# Altium PCB 主板6.PcbDoc
Units mil, origin at the board's own origin, x right, y up, seen from the top; angles counter-clockwise.
Board outline 3926.99 x 3131.26 mil, 4 copper layers (Top Layer, GND2, PWR3, Bottom Layer), stack 23.756 mil thick; 69 components, 79 nets, 274 pads, 145 vias.
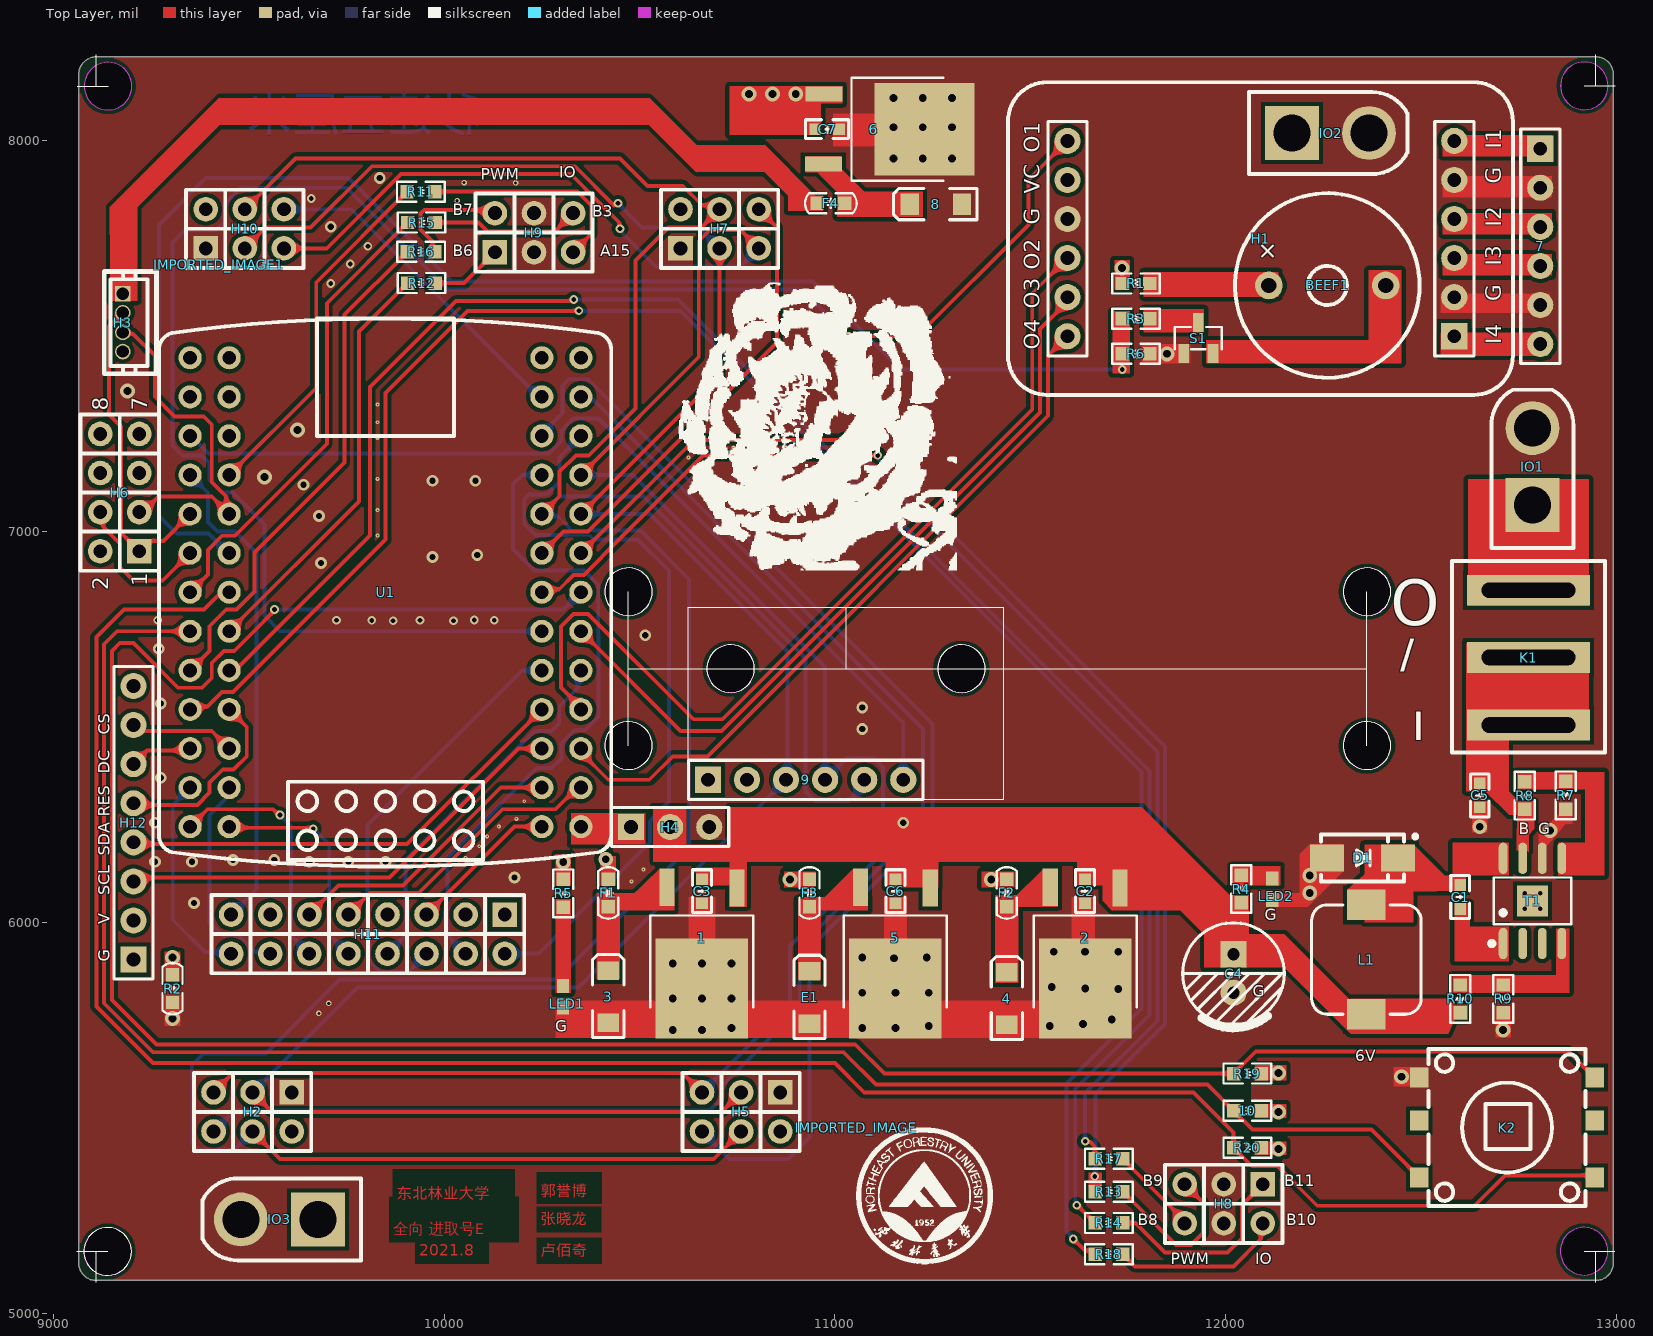
[diagram p0: Top Layer view]
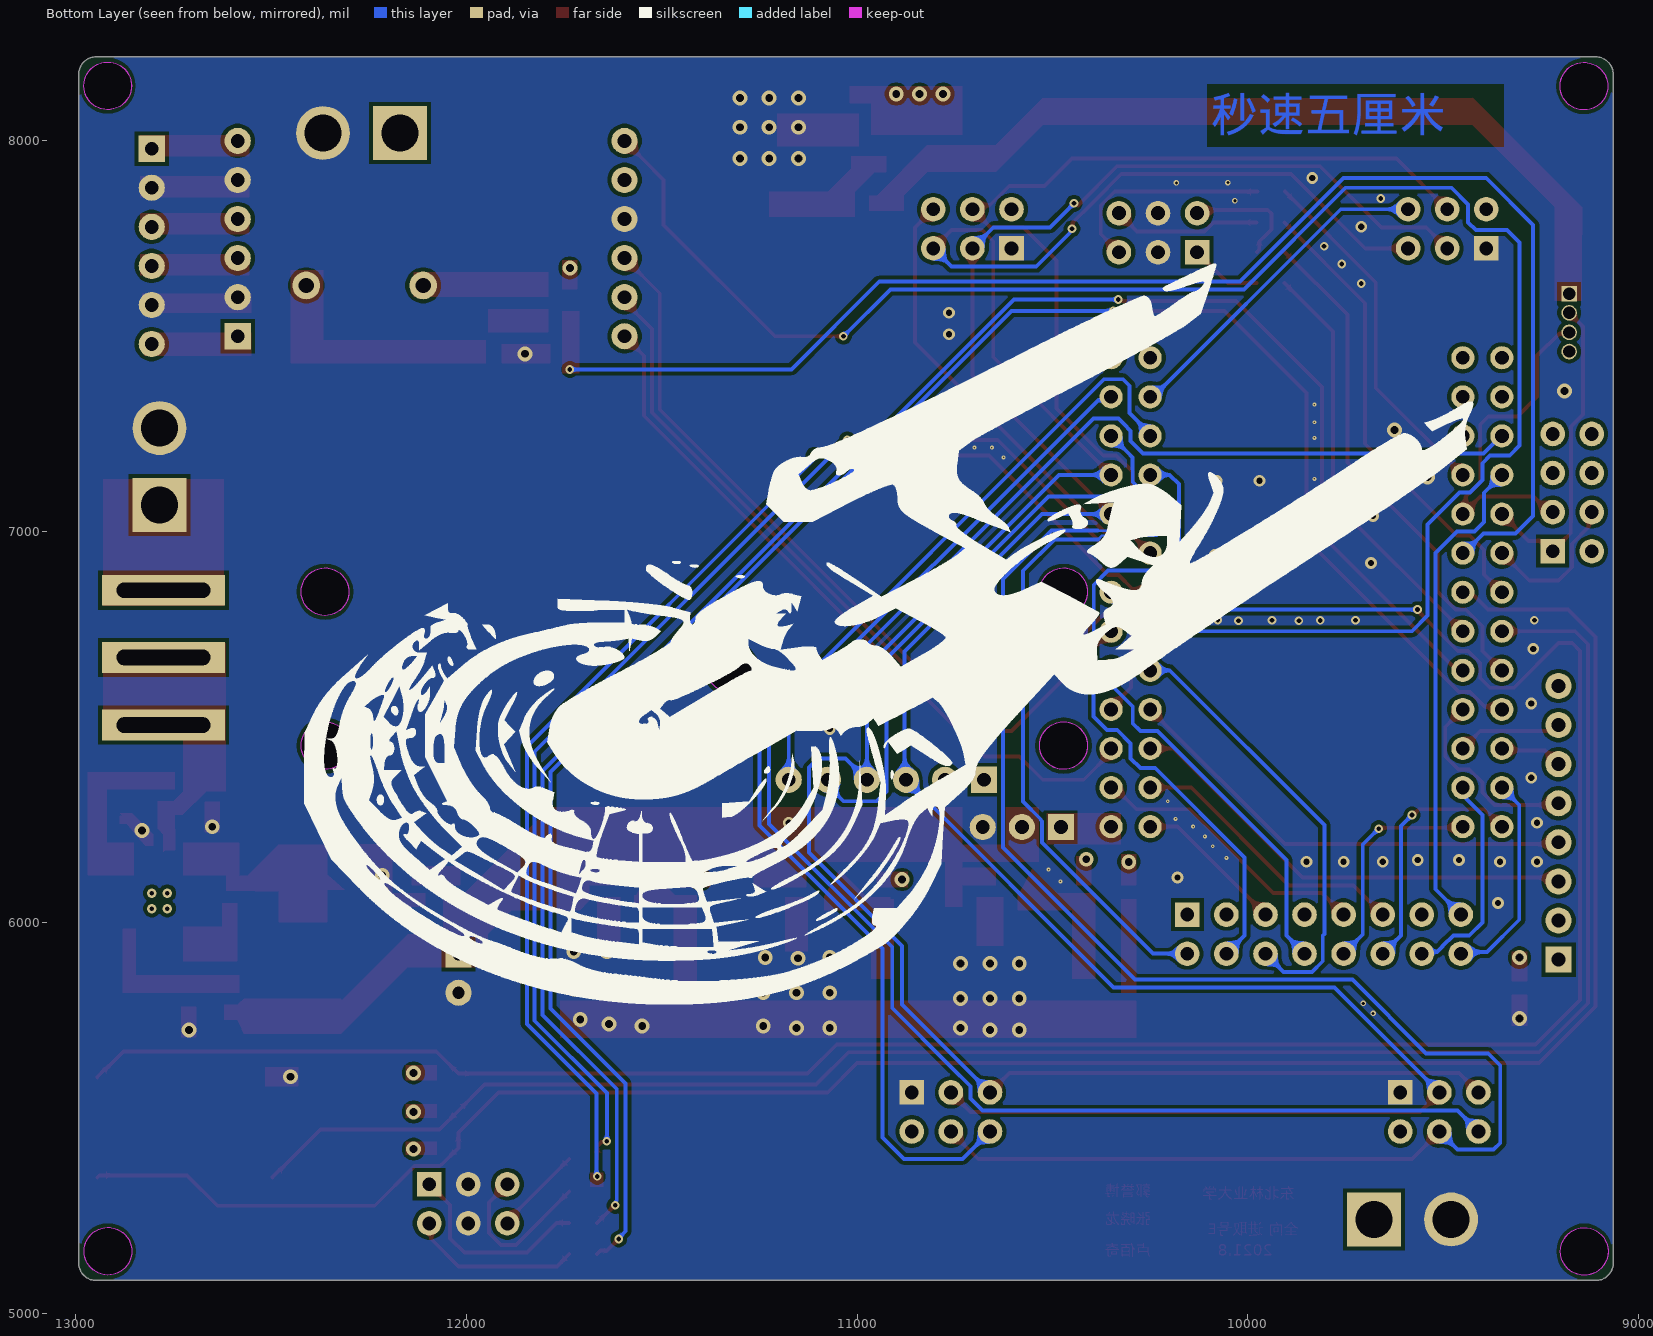
[diagram p1: Bottom Layer view, seen from below]
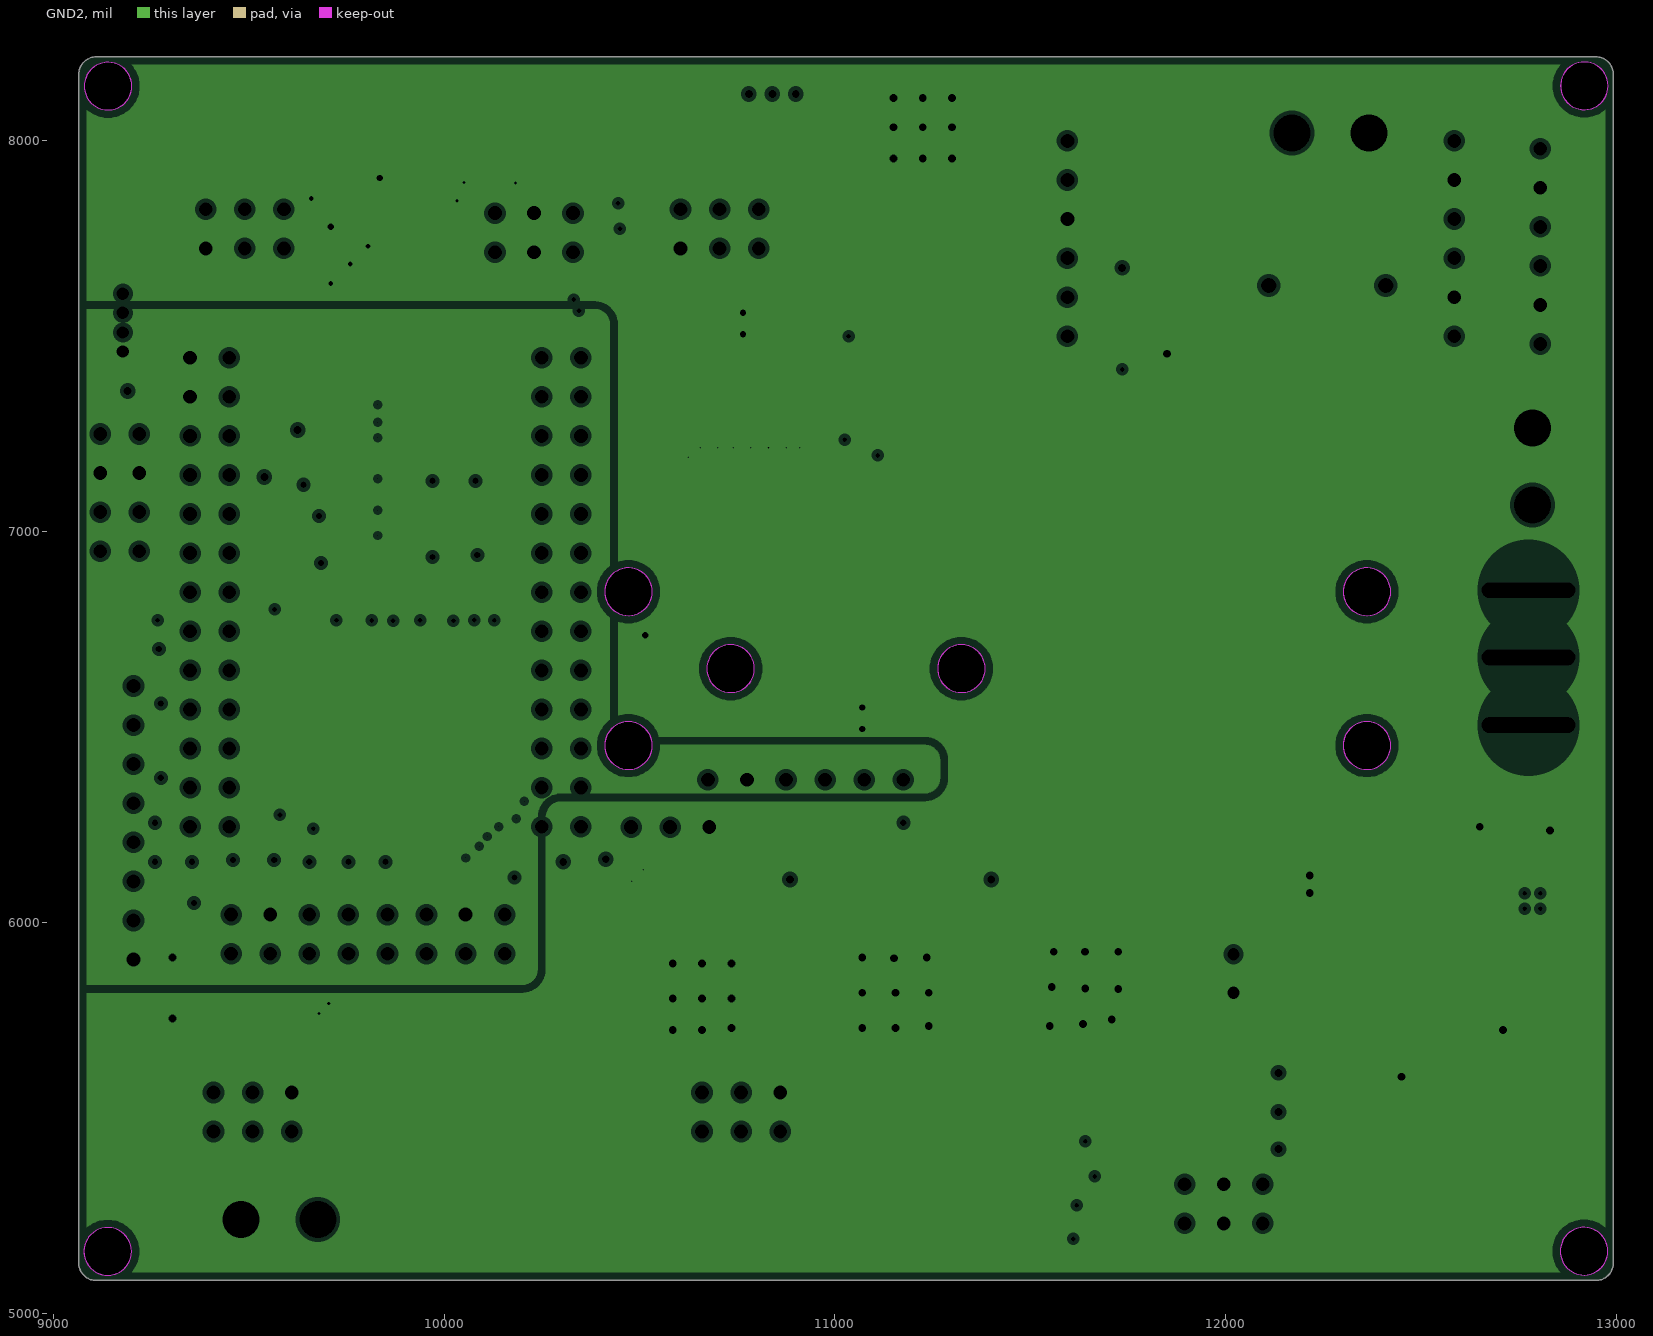
[diagram p2: GND2, clearances drawn from the general rule]
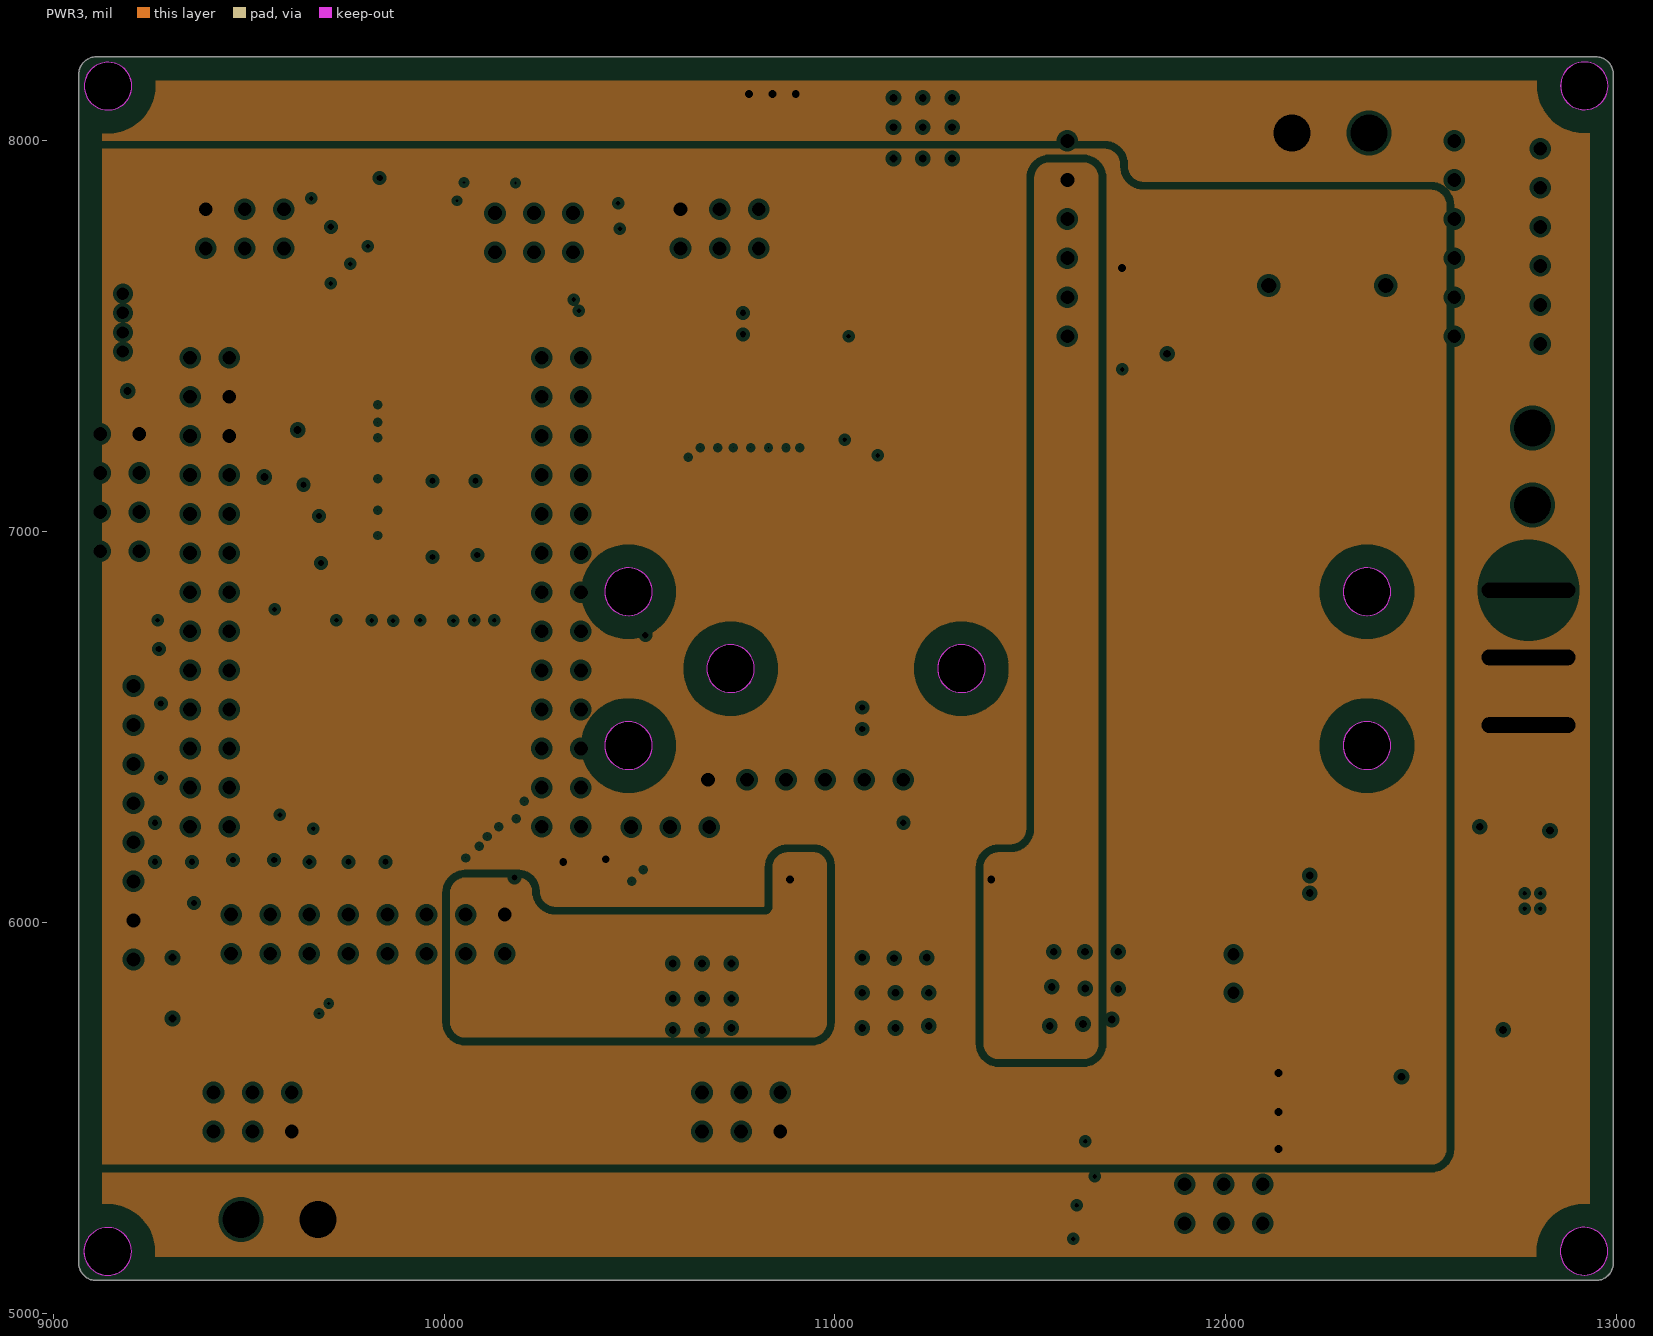
[diagram p3: PWR3, clearances drawn from the general rule]

## Layer stack, top to bottom
Top Solder: solder mask 0.4, Solder Resist, Dk 3.5
Top Layer: signal copper 1.4
Dielectric 2: prepreg 2.8, PP-006, Dk 4.1
GND2: plane copper 1.378, net (Multiple Nets)
Dielectric 1: dielectric 12.6, FR-4, Dk 4.8
PWR3: plane copper 1.378, net (Multiple Nets)
Dielectric 3: prepreg 2.8, PP-006, Dk 4.1
Bottom Layer: signal copper 1.4
Bottom Solder: solder mask 0.4, Solder Resist, Dk 3.5

## Board outline
9065.01,8169.61 ccw(c9060,8169.61) 9065.01,8169.8 ccw(c9060,8170) 9065.01,8170 cw(c9110,8170) 9109.94,8214.99 cw(c9110,8170) 9110,8214.99 12947.01,8214.99 cw(c12947.01,8170) 12991.99,8170 ccw(c12997.01,8170) 12992,8169.72 12992,5128.72 cw(c12947.01,5128.72) 12947.01,5083.72 9110,5083.72 cw(c9110,5128.71) 9065.01,5128.71
cut-out: 12856.76,8140.77 ccw(c12917.78,8140.77) 12917.78,8079.75 ccw(c12917.78,8140.77) 12978.8,8140.77 ccw(c12917.78,8140.77) 12917.78,8201.8 ccw(c12917.78,8140.77)
cut-out: 12855.99,5158.71 ccw(c12917.01,5158.71) 12917.01,5097.69 ccw(c12917.01,5158.71) 12978.03,5158.71 ccw(c12917.01,5158.71) 12917.01,5219.73 ccw(c12917.01,5158.71)
cut-out: 12300.49,6846.31 ccw(c12361.51,6846.31) 12361.51,6785.28 ccw(c12361.51,6846.31) 12422.54,6846.31 ccw(c12361.51,6846.31) 12361.51,6907.33 ccw(c12361.51,6846.31)
cut-out: 12300.49,6452.61 ccw(c12361.51,6452.61) 12361.51,6391.58 ccw(c12361.51,6452.61) 12422.54,6452.61 ccw(c12361.51,6452.61) 12361.51,6513.63 ccw(c12361.51,6452.61)
cut-out: 10672.14,6649.46 ccw(c10733.17,6649.46) 10733.17,6588.43 ccw(c10733.17,6649.46) 10794.19,6649.46 ccw(c10733.17,6649.46) 10733.17,6710.48 ccw(c10733.17,6649.46)
cut-out: 11262.7,6649.46 ccw(c11323.72,6649.46) 11323.72,6588.43 ccw(c11323.72,6649.46) 11384.74,6649.46 ccw(c11323.72,6649.46) 11323.72,6710.48 ccw(c11323.72,6649.46)
cut-out: 10410.73,6846.31 ccw(c10471.75,6846.31) 10471.75,6785.28 ccw(c10471.75,6846.31) 10532.77,6846.31 ccw(c10471.75,6846.31) 10471.75,6907.33 ccw(c10471.75,6846.31)
cut-out: 10471.75,6391.58 ccw(c10471.75,6452.61) 10532.77,6452.61 ccw(c10471.75,6452.61) 10471.75,6513.63 ccw(c10471.75,6452.61) 10410.73,6452.61 ccw(c10471.75,6452.61)
cut-out: 9078.98,8140 ccw(c9140,8140) 9140,8078.98 ccw(c9140,8140) 9201.02,8140 ccw(c9140,8140) 9140,8201.02 ccw(c9140,8140)
cut-out: 9078.06,5158.03 ccw(c9139.08,5158.03) 9139.08,5097 ccw(c9139.08,5158.03) 9200.1,5158.03 ccw(c9139.08,5158.03) 9139.08,5219.05 ccw(c9139.08,5158.03)

## Design rules (kind name [scope] priority, off if disabled: settings)
Clearance [All] p1: gap=10 ignorepadtopadclearanceinfootprint=TRUE except(0: Arc-Hole Track-Hole SMDPad-Hole THPad-Hole Via-Hole Fill-Hole Poly-Hole Region-Hole Text-Hole; 6: Arc-Arc Arc-Track Track-Track)
ComponentClearance [All] p1 off: gap=10 collisioncheckmode=3 verticalgap=10 showdistances=FALSE
PlaneClearance [All] p1: clearance=10
PlaneConnect [All] p1: planeconnectstyle=Direct reliefexpansion=20 reliefentries=4 reliefconductorwidth=10 reliefairgap=10
PolygonConnect [All] p1: connectstyle=Direct reliefconductorwidth=10 reliefentries=4 polygonreliefangle="90 Angle" airgapwidth=10
RoutingVias [All] p1: holewidth=28 width=50 viastyle="Through Hole" minholewidth=28 minwidth=50 maxholewidth=28 maxwidth=50
SilkToSilkClearance [All] p1: silktosilkclearance=1
SolderMaskExpansion [All] p1: expansion=4 istentingtop=FALSE
Width [All] p1: maxlimit=10 minlimit=6 preferedwidth=10
26 further rules are at their usual default settings.

## Components (designator, comment, footprint, x,y, rotation, side; value= is the part's Value field where it differs from the comment)
1 "LD291503v3" LD29150 10659.48,5960.4 r270 top locked
2 "LD29150_3v3" LD29150 11640.52,5960.4 r270 top locked
3 "47UF" "CD A(3216)" 10420,5810 r270 top
4 "47UF" "CD A(3216)" 11440,5805 r270 top
5 "LD29150_3v3" LD29150 11154.48,5960.4 r270 top locked
6 "LD291505V" LD29150 11100,8030 r0 top
7 "header 1*6" HDR2.54-LI-6P 12805,7730 r270 top
8 "47UF" "CD A(3216)" 11258.27,7838.05 r0 top
9 "ICM" HDR2.54-LI-6P 10925,6365 r0 top
10 "10K" 0603-R 12055.2,5518.19 r0 top
BEEF1 "Beef" BEEF 12260,7630 r0 top
C1 "0.01UF" "C 0603_L" 12600,6065 r90 top
C2 "10UF" "C 0603_L" 11640,6080 r90 top
C3 "10UF" "C 0603_L" 10660,6080 r270 top
C4 "220UF" "CAP 2.5*6.3*7" 12020,5869.21 r270 top locked
C5 "10UF" "C 0603_L" 12650,6325 r90 top
C6 "10UF" "C 0603_L" 11155,6080 r90 top
C7 "C" "C 0603_L" 10980,8030 r180 top
D1 "B340A" SMA 12350,6165 r0 top
E1 "A476C" "CD A(3216)" 10935,5808.07 r270 top
F1 "0" 0603-C 10420,6075 r90 top
F2 "0" 0603-C 11440,6075.94 r270 top
F3 "0" 0603-C 10935,6075.94 r270 top
F4 "FB" 0603-C 10990,7840 r180 top
H1 "header 2*6" OP 12585,7500 r180 top locked
H2 "header 2*3" HDR2.54-LI-2x3P 9510,5515 r180 top
H3 "tf mini" GH1.25 9177.91,7534.82 r90 top
H4 "HEADER 1*3" HDR2.54-LI-3P 10578.43,6243.94 r0 top
H5 "header 2*3" HDR2.54-LI-2x3P 10760,5515 r180 top
H6 "2*4" HDR2.54-LI-2x4P 9170,7100 r90 top
H7 "header 2*3" HDR2.54-LI-2x3P 10705,7775 r0 top
H8 "pwm2" HDR2.54-LI-2x3P 11995,5280 r180 top
H9 "pwm1" HDR2.54-LI-2x3P 10230,7765 r0 top
H10 "header 2*3" HDR2.54-LI-2x3P 9490,7775 r0 top
H11 "摄像头接口" HDR2.54-LI-2x8P 9805,5970 r180 top
H12 "IPS" HDR2.54-M-LI-8P 9205,6255 r90 top
IMPORTED_IMAGE "Comment" IMPORTED_IMAGE 11055,5475 r0 top
IMPORTED_IMAGE1 "Comment" IMPORTED_IMAGE 9423.72,7683.33 r0 top (schematic designator IMPORTED_IMAGE)
IO1 "IO" XT30 12785,7068.15 r90 top
IO2 "IO" XT30 12170,8020 r0 top
IO3 "IO" XT30 9676.85,5240 r180 top
K1 "K" SW-SPDT-3A250V 12775,6875 r0 top
K2 "5key" 5KEY 12720,5475 r0 top
L1 "15UH" L-SMD-7 12360,5905 r270 top locked
LED1 "LED" 0603-LED-R 10305,5810 r270 top
LED2 "LED" 0603-LED-R 12120,6085 r270 top
R1 "10R" 0603-R 11770,7635 r0 top
R2 "0R" 0603-C 9305,5830 r90 top
R3 "4.7K" 0603-R 11770,7545 r0 top
R4 "1K" 0603-R 12040,6085 r90 top
R5 "1K" 0603-R 10305,6075 r270 top
R6 "10K" 0603-R 11770,7455 r0 top
R7 "2K" 0603-R 12870,6325 r90 top
R8 "10K" 0603-R 12765,6325 r270 top
R9 "2.7K" 0603-R 12710,5804.13 r90 top
R10 "10K" 0603-R 12600,5805 r270 top
R11 "100R" 0603-R 9940,7870 r0 top
R12 "100R" 0603-R 9942.56,7636.06 r180 top
R13 "100R" 0603-R 11700.83,5311.06 r0 top
R14 "100R" 0603-R 11701.69,5231.06 r180 top
R15 "100R" 0603-R 9941.69,7791.06 r0 top
R16 "100R" 0603-R 9941.69,7716.06 r180 top
R17 "100R" 0603-R 11700.83,5395 r0 top
R18 "100R" 0603-R 11701.69,5151.06 r180 top
R19 "10K" 0603-R 12055.2,5613.19 r0 top
R20 "R" 0603-R 12055.2,5423.19 r0 top
S1 "S8050" "SOT-23-3_L2.9-W1.3-P1.90-LS2.4-BR - duplicate" 11930,7495 r270 top
T1 "TPS5430" TPS5430 12785,6055 r0 top locked
U1 "CH32V103R_CoreBoard" CH32V103R_CoreBoard 9850,6845 r270 top locked

## Footprints (in the part's own frame and the unit in brackets; to place one, negate y for a bottom-side part, rotate by r counter-clockwise, add the part's x,y. Pads: shape width x height; smd on the part's side, far side on the other; paste and mask are expansions set on the pad)
5KEY [mm]
  rect 1.2x1.3 smd: 1(-5.7,3.25) 2(-5.7,0.45) 3(-5.7,-3.25) 4(5.7,3.25) 5(5.7,0.45) 6(5.7,-3.25)
  silkscreen extent -5.1,-5.1 5.1,5.1
0603-C [mm]
  rect 0.87x0.87 smd: 1(-0.889,0) 2(0.911,0)
  silkscreen extent -1.67,-0.65 1.69,0.65, body extent -1.28,-0.51 1.32,0.49, height 0.87
0603-LED-R [mm]
  round 0.2 on Top Overlay mask+0: 2(1.59,0.463)
  rect 0.9x0.8 smd: LED+(-0.7,-0.025) LED-(0.7,-0.025)
  body extent -0.8,-0.38 0.85,0.34, height 0.68
0603-R [mm]
  rect 0.87x0.87 smd: 1(-0.889,0) 2(0.911,0)
  silkscreen extent -1.54,-0.65 1.56,0.65, body extent -0.95,-0.4 0.95,0.4, height 0.45
BEEF [mm]
  round 1.8 hole 1: 1(-3.8,0) 2(3.8,0)
  silkscreen extent -6,-6 6,6
"C 0603_L" [mil] "无极性贴片电容"
  rect 30x30 smd: 1(-30.59,0) 2(30.59,0)
  silkscreen extent -55,-24 55,24, body extent -31,-16 31,16, height 32
"CAP 2.5*6.3*7" [mm] "脚距2.5mm直径6.3mm高度7mm"
  rect 1.7x1.7 hole 0.8: 1(-1.25,0)
  round 1.7 hole 0.8: 2(1.25,0)
  silkscreen extent -3.3,-3.3 3.56,3.3, body extent -3.15,-3.15 3.16,3.15, height 7.03
"CD A(3216)" [mm] "长3.2mm，宽1.6mm，厚1.6mm"
  rect 1.2x1.4 smd: 1(-1.7,0) 2(1.7,0)
  silkscreen extent -2.74,-1.02 2.67,1.02, body extent -1.6,-0.8 1.6,0.8, height 1.6
CH32V103R_CoreBoard [mm] "逐飞科技CH32V103R核心板"
  round 1.5 hole 0.9: 1(-15.24,-12.7) 2(-15.24,-10.16) 3(-12.7,-12.7) 4(-12.7,-10.16) 5(-10.16,-12.7) 6(-10.16,-10.16) 7(-7.62,-12.7) 8(-7.62,-10.16) 9(-5.08,-12.7) 10(-5.08,-10.16) 11(-2.54,-12.7) 12(-2.54,-10.16) 13(0,-12.7) 14(0,-10.16) 15(2.54,-12.7) 16(2.54,-10.16) 17(5.08,-12.7) 18(5.08,-10.16) 19(7.62,-12.7) 20(7.62,-10.16) 21(10.16,-12.7) 22(10.16,-10.16) 23(12.7,-12.7) 24(12.7,-10.16) 25(15.24,-12.7) 26(15.24,-10.16) 27(15.24,12.7) 28(15.24,10.16) 29(12.7,12.7) 30(12.7,10.16) 31(10.16,12.7) 32(10.16,10.16) 33(7.62,12.7) 34(7.62,10.16) 35(5.08,12.7) 36(5.08,10.16) 37(2.54,12.7) 38(2.54,10.16) 39(0,12.7) 40(0,10.16) 41(-2.54,12.7) 42(-2.54,10.16) 43(-5.08,12.7) 44(-5.08,10.16) 45(-7.62,12.7) 46(-7.62,10.16) 47(-10.16,12.7) 48(-10.16,10.16) 49(-12.7,12.7) 50(-12.7,10.16) 51(-15.24,12.7) 52(-15.24,10.16)
  silkscreen extent -17.79,-14.73 17.83,14.67
GH1.25 [mil]
  rect 40x40 hole 31.5: 1(74,0)
  round 40 hole 31.5: 2(25,0) 3(-25,0) 4(-74,0)
  silkscreen extent -131,-86 131,48
HDR2.54-LI-2x3P [mm] "双排排针，3x2脚"
  rect 1.6x1.6 hole 0.9: 1(-2.54,-1.27)
  round 1.6 hole 0.9: 2(-2.54,1.27) 3(0,-1.27) 4(0,1.27) 5(2.54,-1.27) 6(2.54,1.27)
  silkscreen extent -3.81,-2.54 3.81,2.54, body extent -3.81,-2.54 3.81,2.54, height 8.5
HDR2.54-LI-2x4P [mm] "双排排针，4x2脚"
  rect 1.6x1.6 hole 0.9: 1(-3.81,-1.27)
  round 1.6 hole 0.9: 2(-3.81,1.27) 3(-1.27,-1.27) 4(-1.27,1.27) 5(1.27,-1.27) 6(1.27,1.27) 7(3.81,-1.27) 8(3.81,1.27)
  silkscreen extent -5.08,-2.54 5.08,2.54, body extent -5.08,-2.54 5.08,2.54, height 8.5
HDR2.54-LI-2x8P [mm] "双排排针，8x2脚"
  rect 1.6x1.6 hole 0.9: 1(-8.89,-1.27)
  round 1.6 hole 0.9: 2(-8.89,1.27) 3(-6.35,-1.27) 4(-6.35,1.27) 5(-3.81,-1.27) 6(-3.81,1.27) 7(-1.27,-1.27) 8(-1.27,1.27) 9(1.27,-1.27) 10(1.27,1.27) 11(3.81,-1.27) 12(3.81,1.27) 13(6.35,-1.27) 14(6.35,1.27) 15(8.89,-1.27) 16(8.89,1.27)
  silkscreen extent -10.16,-2.54 10.16,2.54, body extent -10.16,-2.54 10.16,2.54, height 8.5
HDR2.54-LI-3P [mm] "排针，3脚"
  rect 1.7x1.7 hole 0.9: 1(-2.54,0)
  round 1.7 hole 0.9: 2(0,0) 3(2.54,0)
  silkscreen extent -3.81,-1.27 3.81,1.27, body extent -3.81,-1.27 3.81,1.27, height 8.5
HDR2.54-LI-6P [mm] "排针，6脚"
  rect 1.7x1.7 hole 0.9: 1(-6.35,0)
  round 1.7 hole 0.9: 2(-3.81,0) 3(-1.27,0) 4(1.27,0) 5(3.81,0) 6(6.35,0)
  silkscreen extent -7.62,-1.27 7.62,1.27, body extent -7.62,-1.27 7.62,1.27, height 8.5
HDR2.54-M-LI-8P [mm] "排母，8脚"
  rect 1.7x1.7 hole 0.9: 1(-8.89,0)
  round 1.7 hole 0.9: 2(-6.35,0) 3(-3.81,0) 4(-1.27,0) 5(1.27,0) 6(3.81,0) 7(6.35,0) 8(8.89,0)
  silkscreen extent -10.16,-1.27 10.16,1.27, body extent -10.16,-1.27 10.16,1.27, height 8.5
IMPORTED_IMAGE [mil]
  silkscreen extent 0,-349 349,0
L-SMD-7 [mm] "贴片电感7*7"
  rect 2x2.5 smd: 1(-3.556,0) 2(3.556,0)
  silkscreen extent -3.56,-3.56 3.56,3.56, body extent -3.56,-3.56 3.56,3.56, height 4
LD29150 [mm]
  rect 2.409x0.979 smd: 1(-3.251,2.273) 3(-3.292,-2.273)
  rect 6.5x6 smd: 2(3.292,0)
  silkscreen extent -1.46,-3.35 4.51,3.34